# KiCad board yeti.kicad_pcb
title: Yeti Power Board; date: 2021-01-16; rev: 02; company: Pionix GmbH; note: Cornelius Claussen
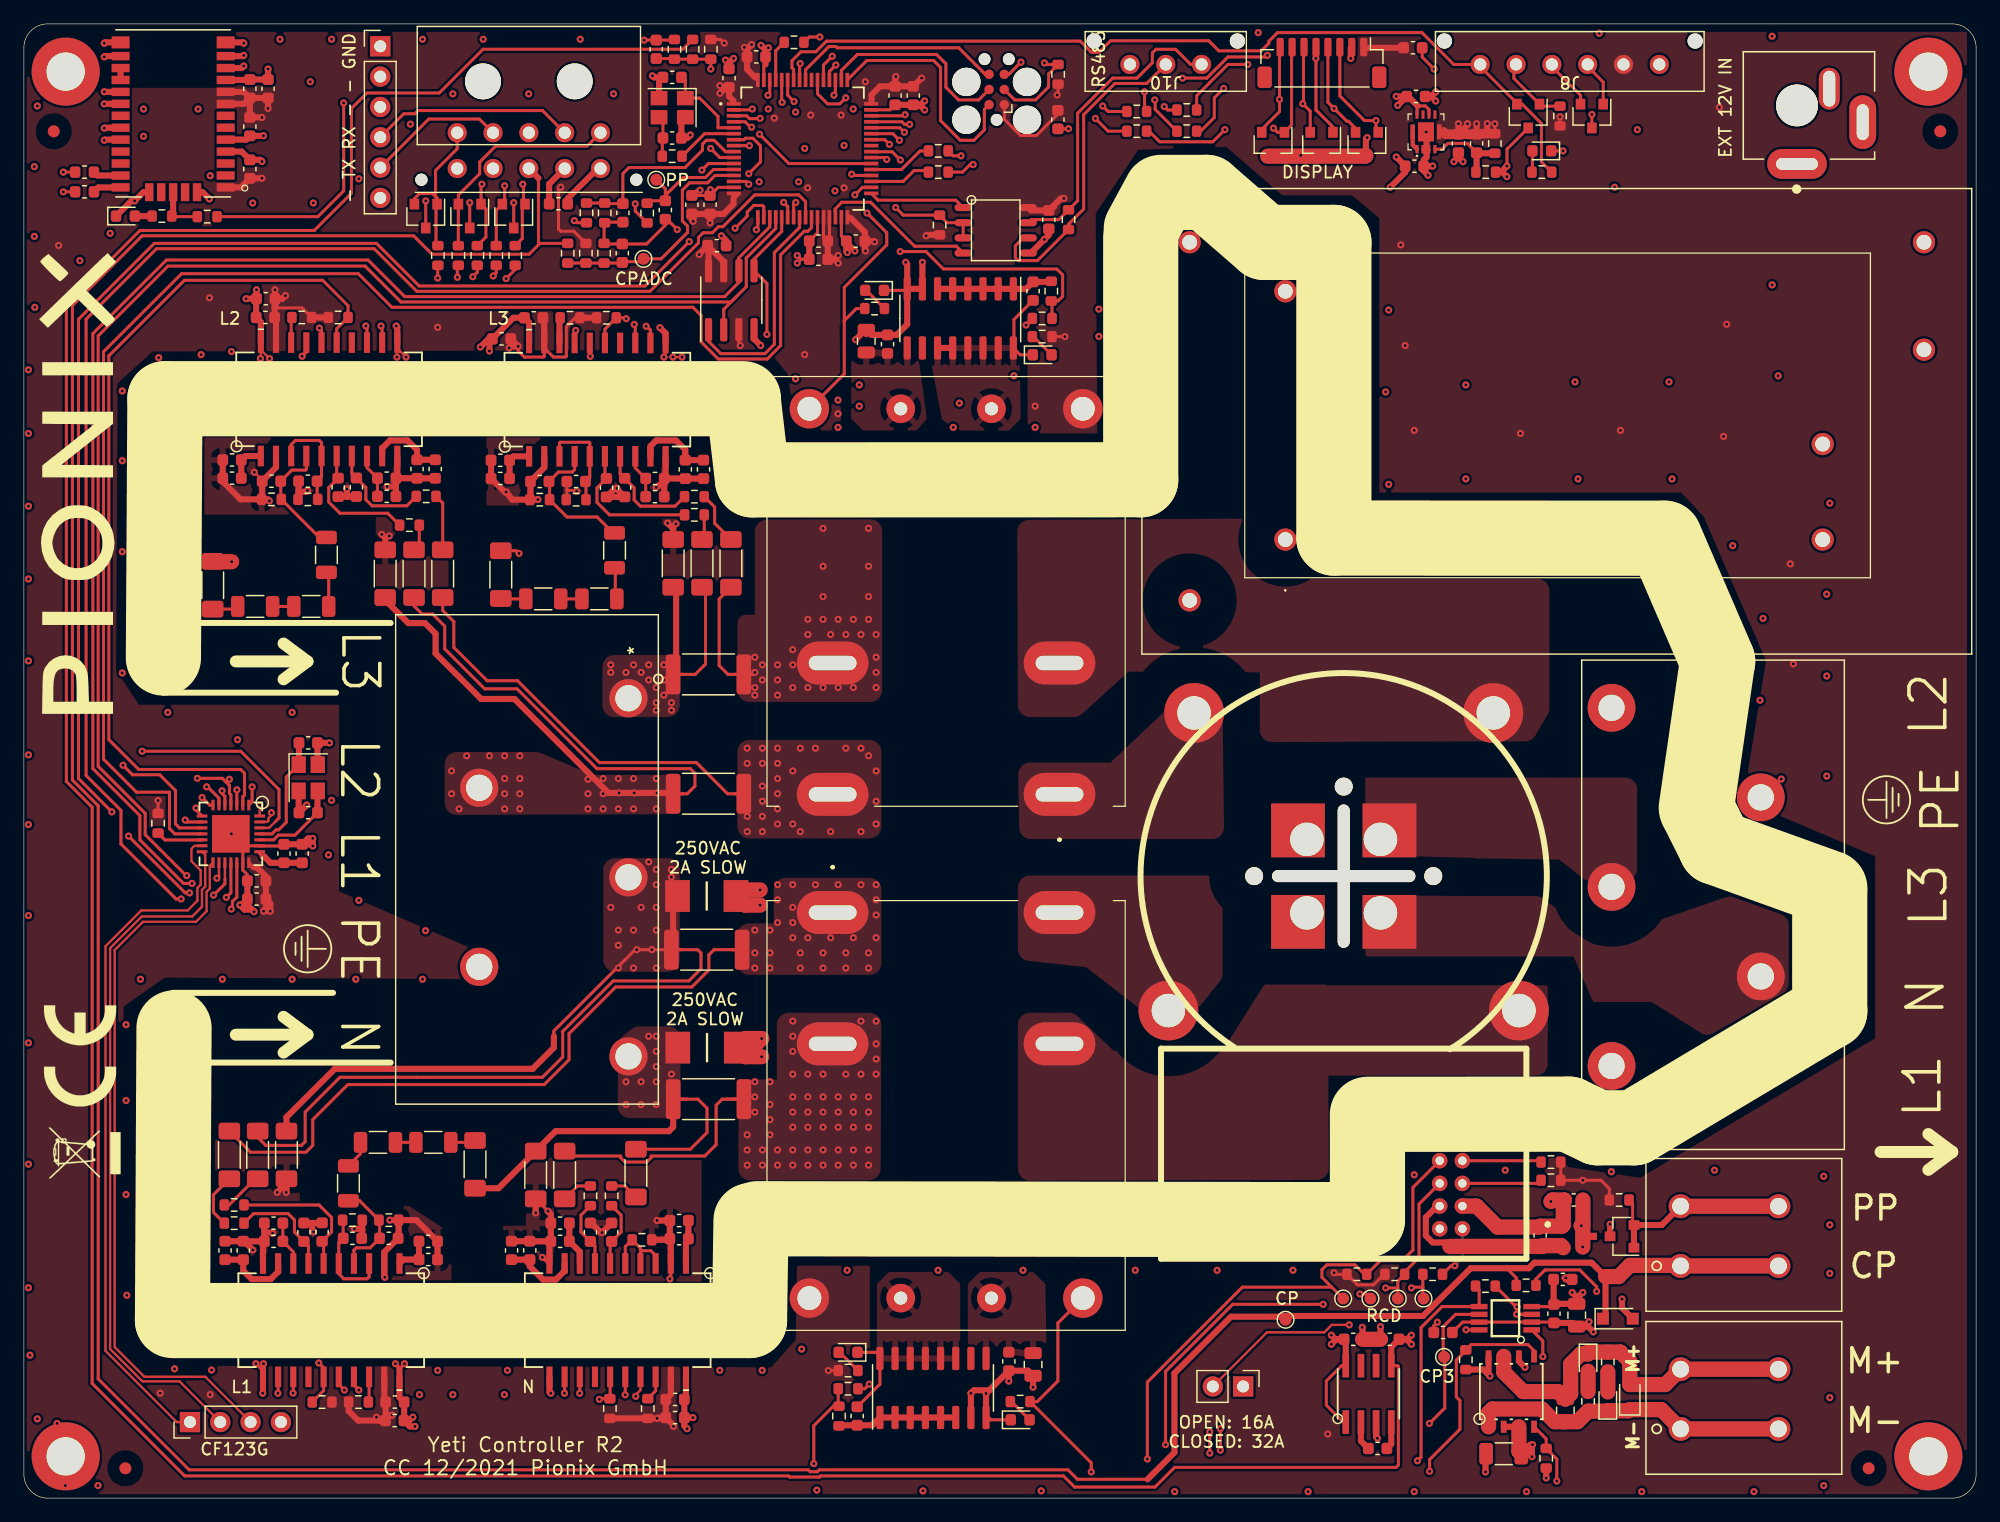
[diagram p0: board, top side]
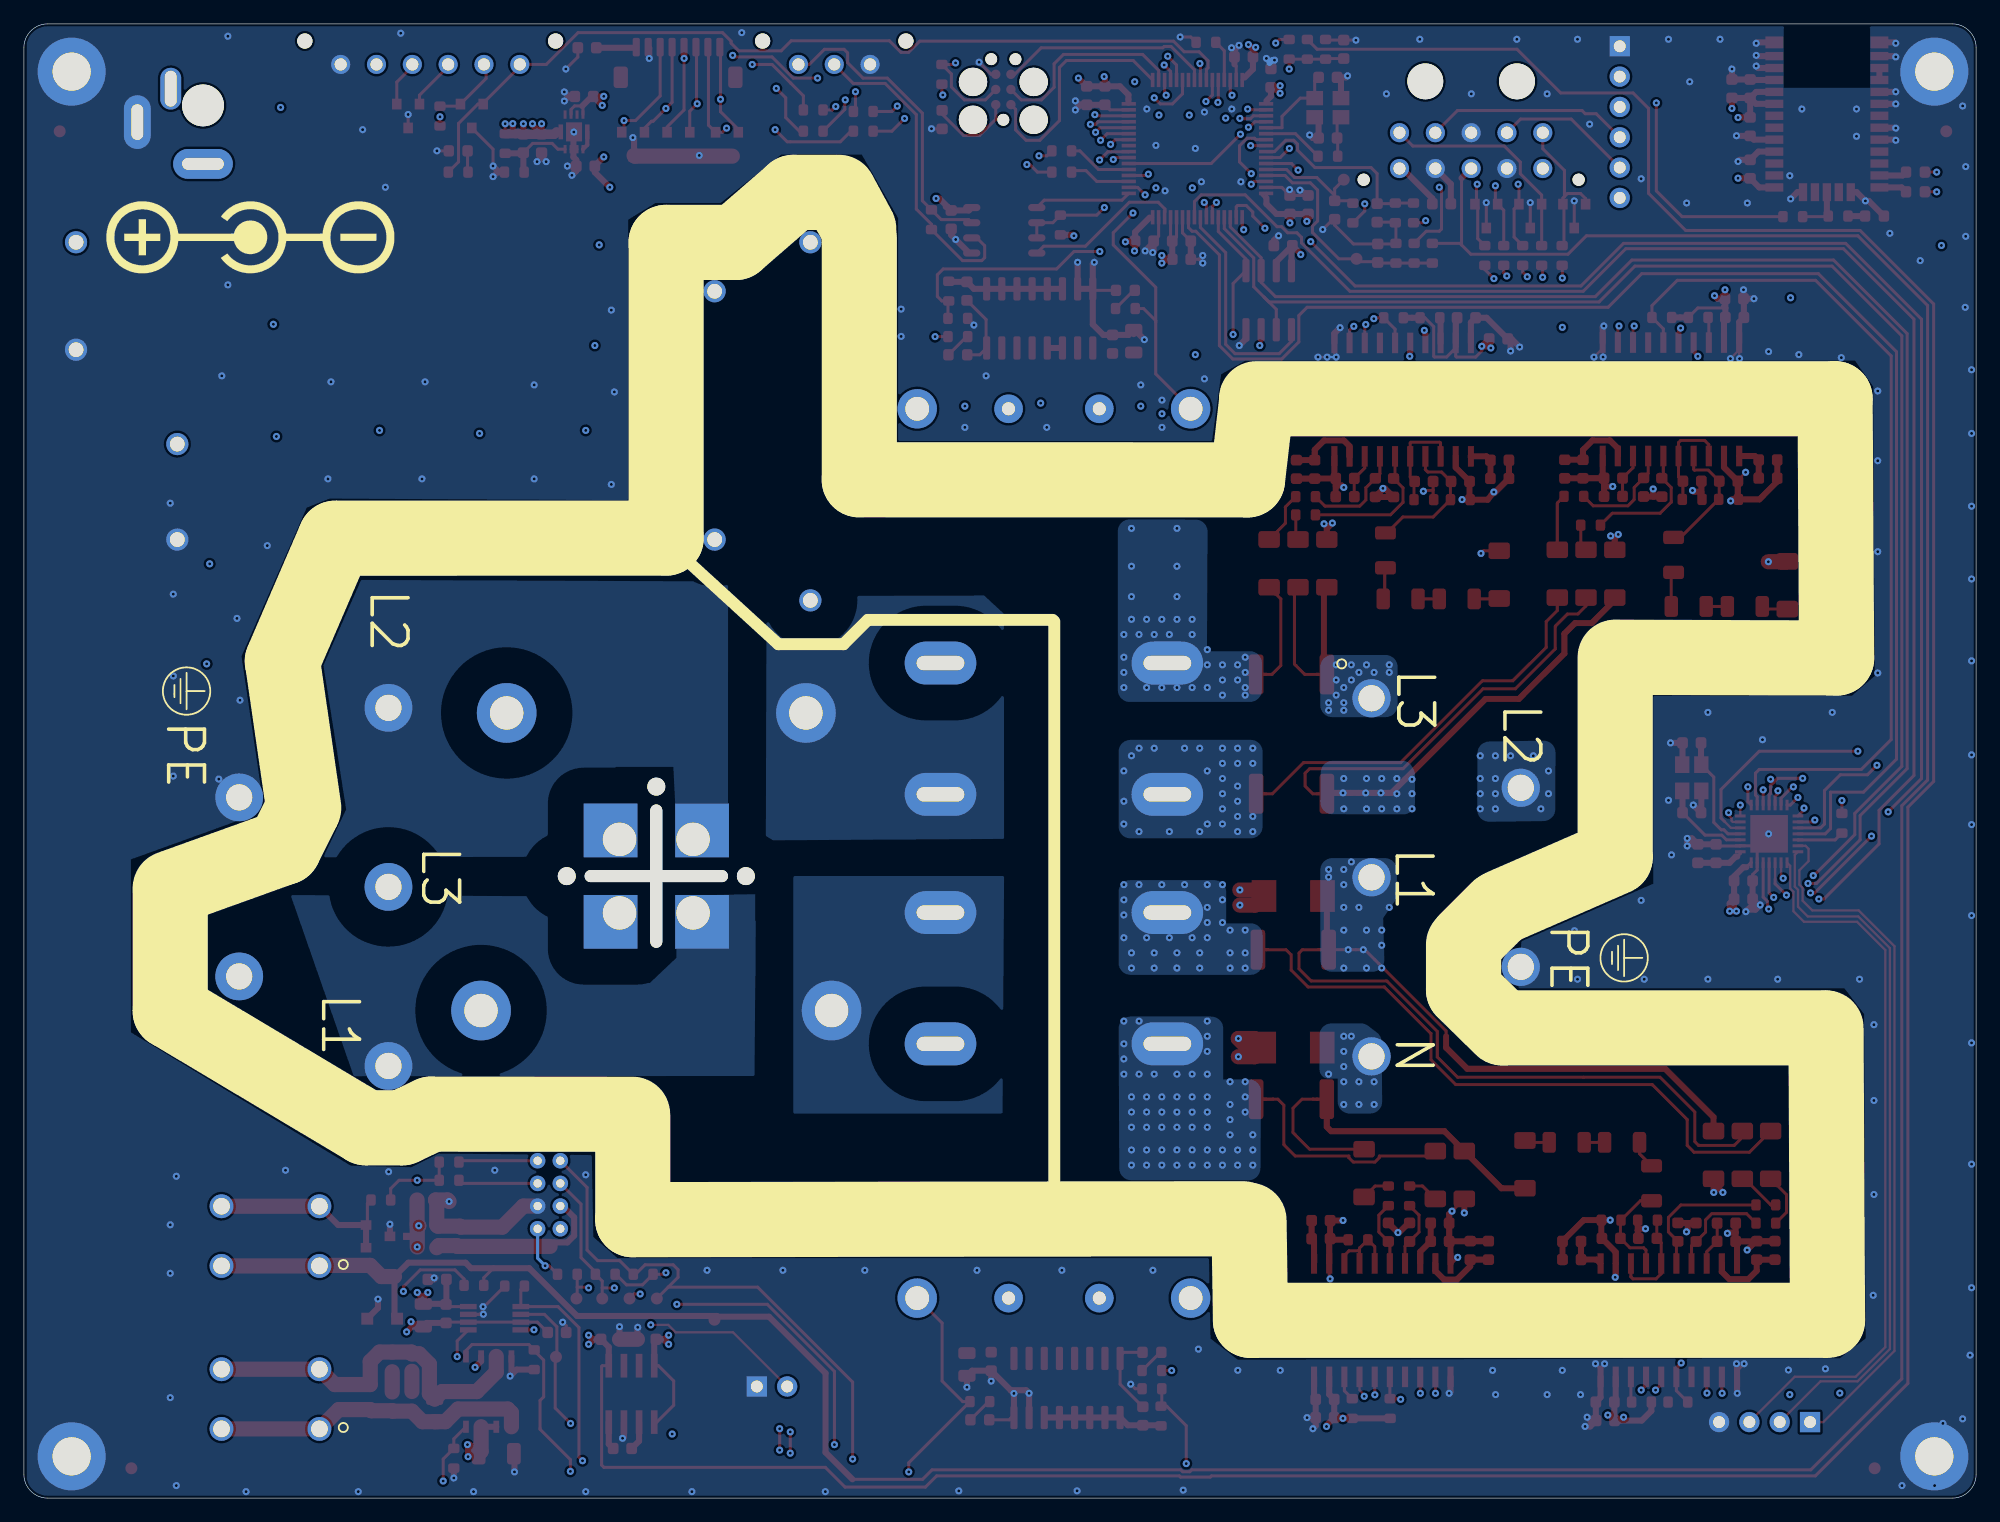
[diagram p1: board, bottom side, seen from below]

Outline 163.5 x 123.5 mm; copper layers: 1_F_TOP_Signal_Pwr, 2_GND (plane), 3_VCC3V3, 4_GND (plane), 5_Signal_Pwr, 6_GND (plane), 7_Signal_Pwr, 8_B_BOTTOM_GND. Coordinates in mm from the lower left corner of the outline.
Outline path: 0,121.5 arc(0.59,122.91) 2,123.5 161.5,123.5 arc(162.91,122.91) 163.5,121.5 163.5,2 arc(162.91,0.59) 161.5,0 2,0 arc(0.59,0.59) 0,2 0,121.5
Stack: 1_F_TOP_Signal_Pwr 0.035mm / dielectric 0.1857mm FR4 er 4.5 / 2_GND 0.035mm / dielectric 0.1857mm FR4 er 4.5 / 3_VCC3V3 0.035mm / dielectric 0.1857mm FR4 er 4.5 / 4_GND 0.035mm / dielectric 0.1857mm FR4 er 4.5 / 5_Signal_Pwr 0.035mm / dielectric 0.1857mm FR4 er 4.5 / 6_GND 0.035mm / dielectric 0.1857mm FR4 er 4.5 / 7_Signal_Pwr 0.035mm / dielectric 0.1857mm FR4 er 4.5 / 8_B_BOTTOM_GND 0.035mm

## Placement (name value [footprint] x y rotation side)
C1  100n  [C_0603_1608Metric]  82.49 11.45 90 top
C2  10u_50V  [C_0805_2012Metric]  84.52 11.2 90 top
C3  10u  [C_0603_1608Metric]  19.5 50.19 0 top
C4  100n  [C_0603_1608Metric]  19.5 51.71 0 top
C5  10u  [C_0603_1608Metric]  23.31 54 270 top
C6  100n  [C_0603_1608Metric]  21.78 54 270 top
C7  20p  [C_0603_1608Metric]  23.81 63.27 180 top
C8  20p  [C_0603_1608Metric]  23.81 57.42 0 top
C9  33n/25V  [C_0603_1608Metric]  23.45 22.27 90 top
C10  33n/25V  [C_0603_1608Metric]  24.98 22.29 270 top
C11  33n/25V  [C_0603_1608Metric]  30.56 21.76 0 top
C12  33n/25V  [C_0603_1608Metric]  27.52 21.76 180 top
C13  100n  [C_0603_1608Metric]  20.91 21.51 0 top
C14  100n  [C_0603_1608Metric]  18.37 20.75 270 top
C15  100n  [C_0603_1608Metric]  33.87 19.99 180 top
C16  10u  [C_0603_1608Metric]  20.91 23.03 0 top
C17  10u  [C_0603_1608Metric]  16.85 20.75 270 top
C18  10u  [C_0603_1608Metric]  33.87 21.51 180 top
C19  10u  [C_0603_1608Metric]  31.05 6.5 180 top
C20  100n  [C_0603_1608Metric]  31.07 8.05 180 top
C21  33n/25V  [C_0603_1608Metric]  47.45 22.28 90 top
C22  33n/25V  [C_0603_1608Metric]  49.23 22.28 270 top
C23  100n  [C_0603_1608Metric]  44.91 21.51 0 top
C24  100n  [C_0603_1608Metric]  42.37 20.75 270 top
C25  100n  [C_0603_1608Metric]  54.88 21.73 0 top
C26  10u  [C_0603_1608Metric]  44.91 23.04 0 top
C27  10u  [C_0603_1608Metric]  40.84 20.75 270 top
C28  10u  [C_0603_1608Metric]  54.88 23.25 0 top
C29  10u  [C_0603_1608Metric]  54.54 6.74 180 top
C30  100n  [C_0603_1608Metric]  54.54 8.27 180 top
C31  33n/25V  [C_0603_1608Metric]  27.85 84.68 270 top
C32  33n/25V  [C_0603_1608Metric]  26.32 84.67 90 top
C33  33n/25V  [C_0603_1608Metric]  20.73 85.19 180 top
C34  33n/25V  [C_0603_1608Metric]  23.78 85.19 0 top
C35  100n  [C_0603_1608Metric]  30.39 85.45 180 top
C36  100n  [C_0603_1608Metric]  32.93 86.21 90 top
C37  100n  [C_0603_1608Metric]  17.43 86.97 0 top
C38  10u  [C_0603_1608Metric]  30.39 83.92 180 top
C39  10u  [C_0603_1608Metric]  34.45 86.21 90 top
C40  10u  [C_0603_1608Metric]  17.43 85.45 0 top
C41  10u  [C_0603_1608Metric]  20.26 100.48 0 top
C42  100n  [C_0603_1608Metric]  20.23 98.91 0 top
C43  33n/25V  [C_0603_1608Metric]  50.31 84.66 270 top
C44  33n/25V  [C_0603_1608Metric]  48.79 84.64 90 top
C45  33n/25V  [C_0603_1608Metric]  43.2 85.16 180 top
C46  33n/25V  [C_0603_1608Metric]  46.25 85.16 0 top
C47  100n  [C_0603_1608Metric]  52.85 85.42 180 top
C48  100n  [C_0603_1608Metric]  55.39 86.18 90 top
C49  100n  [C_0603_1608Metric]  39.9 86.94 0 top
C50  10u  [C_0603_1608Metric]  52.85 83.89 180 top
C51  10u  [C_0603_1608Metric]  56.92 86.18 90 top
C52  10u  [C_0603_1608Metric]  39.9 85.42 0 top
C53  10u  [C_0603_1608Metric]  40.01 97.11 0 top
C54  100n  [C_0603_1608Metric]  42.69 98.88 0 top
C55  100n  [C_0603_1608Metric]  128.14 15.45 270 top
C56  100n  [C_0603_1608Metric]  57.47 108.35 90 top
C57  100n  [C_0603_1608Metric]  69.66 105.3 180 top
C58  100n  [C_0603_1608Metric]  72.96 117.5 270 top
C59  100n  [C_0603_1608Metric]  59.06 118.96 90 top
C60  10u  [C_0603_1608Metric]  74.49 117.5 270 top
C61  100n  [C_0603_1608Metric]  61.34 120.73 0 top
C62  10u  [C_0603_1608Metric]  55.94 108.35 90 top
C63  10u 25V  [C_0603_1608Metric]  44.77 108.43 180 top
C64  10u  [C_0603_1608Metric]  66.55 105.3 180 top
C65  100n  [C_0603_1608Metric]  66.55 103.78 180 top
C66  100n  [C_0603_1608Metric]  116.33 121.5 0 top
C67  100n  [C_0603_1608Metric]  85.84 107.1 270 top
C68  100n  [C_0603_1608Metric]  86.6 115.48 90 top
C69  100n  [C_0603_1608Metric]  58.04 104.92 0 top
C70  25p  [C_0603_1608Metric]  54.29 119.02 0 top
C71  25p  [C_0603_1608Metric]  54.29 113.94 180 top
C72  10u  [C_0603_1608Metric]  20.45 118.07 270 top
C73  100n  [C_0603_1608Metric]  18.92 111.34 270 top
C74  10u_50V  [C_0805_2012Metric]  130.05 15.32 270 top
C75  100n  [C_0603_1608Metric]  18.92 118.07 270 top
C76  100n  [C_0603_1608Metric]  18.92 114.89 90 top
C77  DNP 47u  [C_1206_3216Metric]  123.94 3.72 0 top
C78  DNP 1u  [C_0805_2012Metric]  129.1 7.35 90 top
C79  10u  [C_0603_1608Metric]  126.99 22.01 90 top
C80  100n  [C_0603_1608Metric]  116.59 117.42 0 top
C81  1n  [C_0603_1608Metric]  50.17 107.67 270 top
C82  1n  [C_0603_1608Metric]  52.96 121.37 90 top
C83  15p  [C_0603_1608Metric]  121.67 113.48 270 top
C84  10u  [C_0603_1608Metric]  120.14 113.48 270 top
C85  10u  [C_0603_1608Metric]  116.46 111.58 0 top
C86  100n  [C_0603_1608Metric]  128.89 18.32 180 top
C87  100n  [C_0603_1608Metric]  118.86 13.88 180 top
C88  24p  [C_0603_1608Metric]  50.12 104.29 90 top
C89  10n  [C_0603_1608Metric]  53.72 107.91 270 top
C91  100p  [C_0603_1608Metric]  84.52 101.11 90 top
C93  100p  [C_0603_1608Metric]  69.79 6.88 270 top
C94  100n  [C_0603_1608Metric]  72.33 96.67 270 top
C95  10u_50V  [C_0805_2012Metric]  70.55 96.92 270 top
C104  10u  [C_0603_1608Metric]  129.79 24.98 180 top
C109  10u  [C_0603_1608Metric]  113.37 4.16 0 top
C110  10u 25V  [C_0603_1608Metric]  111.34 13.3 180 top
C111  10u 25V  [C_0603_1608Metric]  114.39 13.3 0 top
D1  DNP ESD12VD3B-TP  [D_SOD-323]  134.49 8.47 90 top
D2  GSOT03C-E3-08  [SOT-23]  37.34 107.4 270 top
D3  GSOT03C-E3-08  [SOT-23]  41.02 107.4 270 top
D4  GSOT03C-E3-08  [SOT-23]  33.66 107.4 270 top
D5  GSOT03C-E3-08  [SOT-23]  112.48 113.42 270 top
D6  GSOT03C-E3-08  [SOT-23]  108.68 113.42 270 top
D7  GSOT03C-E3-08  [SOT-23]  104.62 113.42 270 top
D8  GSOT03C-E3-08  [SOT-23]  133.84 21.93 180 top
D9  GSOT03C-E3-08  [SOT-23]  125.99 115.78 270 top
D10  LED GREEN  [LED_0603_1608Metric]  71.25 101.18 180 top
D11  LED GREEN  [LED_0603_1608Metric]  83.44 6.56 0 top
D12  LED YELLOW  [LED_0603_1608Metric]  69.03 12.21 180 top
D13  LED YELLOW  [LED_0603_1608Metric]  85.28 95.78 0 top
D14  GBLC12C  [D_SOD-323_HandSoldering]  133.49 15.03 0 top
D15  LED GREEN  [LED_0603_1608Metric]  8.51 107.4 0 top
D16  GSOT03C-E3-08  [SOT-23]  131.32 115.78 270 top
D36  LED GREEN  [LED_0603_1608Metric]  127.13 112.86 180 top
D38  DNP RED  [LED_0603_1608Metric]  131 11.41 270 top
D39  DNP GREEN  [LED_0603_1608Metric]  132.65 8.11 90 top
F1  SF-2410SP200W-2  [FUSC6125X236N]  57.19 50.44 180 top
F2  SF-2410SP200W-2  [FUSC6125X236N]  57.21 37.74 180 top
FB1  LI1806C151R-10  [L_1806_4516Metric]  37.78 27.96 270 top
FB2  LI1806C151R-10  [L_1806_4516Metric]  17.21 28.75 90 top
FB3  LI1806C151R-10  [L_1806_4516Metric]  21.99 28.75 90 top
FB4  LI1806C151R-10  [L_1806_4516Metric]  19.58 28.75 90 top
FB5  LI1806C151R-10  [L_1806_4516Metric]  45.29 27.07 90 top
FB6  LI1806C151R-10  [L_1806_4516Metric]  42.86 27.07 90 top
FB7  LI1806C151R-10  [L_1806_4516Metric]  51.26 27.23 90 top
FB8  LI1806C151R-10  [L_1806_4516Metric]  15.81 76.47 90 top
FB9  LI1806C151R-10  [L_1806_4516Metric]  35.07 77.44 270 top
FB10  LI1806C151R-10  [L_1806_4516Metric]  30.26 77.44 270 top
FB11  LI1806C151R-10  [L_1806_4516Metric]  32.67 77.44 270 top
FB12  LI1806C151R-10  [L_1806_4516Metric]  39.94 77.36 90 top
FB13  LI1806C151R-10  [L_1806_4516Metric]  59.21 78.31 270 top
FB14  LI1806C151R-10  [L_1806_4516Metric]  54.38 78.31 270 top
FB15  LI1806C151R-10  [L_1806_4516Metric]  56.79 78.31 270 top
FB16  1kOhm@100MHz  [L_0603_1608Metric]  5.08 109.43 180 top
FB17  1kOhm@100MHz  [L_0603_1608Metric]  5.08 111.08 0 top
FID1  Fiducial  [Fiducial_1mm_Mask3mm]  8.5 2.5 0 top
FID2  Fiducial  [Fiducial_1mm_Mask3mm]  160.5 114.5 0 top
FID3  Fiducial  [Fiducial_1mm_Mask3mm]  154.5 2.5 0 top
FID4  Fiducial  [Fiducial_1mm_Mask3mm]  2.5 114.5 0 top
H1  MountingHole  [MountingHole_3.2mm_M3_ISO7380_Pad_TopBottom]  159.5 3.5 0 top
H2  MountingHole  [MountingHole_3.2mm_M3_ISO7380_Pad_TopBottom]  3.5 3.5 180 top
H3  MountingHole  [MountingHole_3.2mm_M3_ISO7380_Pad_TopBottom]  3.5 119.5 0 top
H4  MountingHole  [MountingHole_3.2mm_M3_ISO7380_Pad_TopBottom]  159.5 119.5 0 top
J1  2606-1105  [2606-1105_increased_creepage]  44.13 52.01 270 top
J2  -  [2604-1102]  138.75 19.45 90 top
J3  2606-1105  [2606-1105_010-000]  139.47 51.2 90 top
J4  DNP 2604-1102  [2604-1102]  138.75 5.8 90 top
J5  DNP  [PinHeader_1x04_P2.54mm_Vertical]  13.91 6.37 90 top
J6  DNP  [PinHeader_1x06_P2.54mm_Vertical]  29.85 121.62 0 top
J7  JST_SH_BM08B-SRSS-TB_1x08  [JST_SH_BM08B-SRSS-TB_1x08-1MP_P1.00mm_Vertical]  108.71 120.23 180 top
J8  Conn_01x06_Male  [66200611122]  129.47 120.1 180 top
J9  PJ-032B  [CUI_PJ-032B]  148.5 116.67 90 top
J10  RS485  [66200311122]  95.63 120.1 180 top
J11  CFG  [PinHeader_1x02_P2.54mm_Vertical]  102.11 9.35 270 top
J13  SWD  [Tag-Connect_TC2030-IDC-FP_2x03_P1.27mm_Vertical]  81.47 118 90 top
K1  -  [AHES4291]  77.23 74.51 0 top
K2  -  [AHES4291]  77.23 33.51 180 top
PS1  -  [MYRGC075050S31RA]  117.43 114.45 0 top
PS3  MPM-30-12  [MPM3012_dualsocket]  128.38 90.21 180 top
R1  100k  [R_0603_1608Metric]  128.65 115.78 90 top
R2  220  [R_0603_1608Metric]  37.97 104.1 270 top
R3  220  [R_0603_1608Metric]  36.39 104.1 270 top
R4  220  [R_0603_1608Metric]  41.15 104.1 270 top
R5  220  [R_0603_1608Metric]  39.56 104.1 270 top
R6  220  [R_0603_1608Metric]  34.67 104.1 270 top
R7  220  [R_0603_1608Metric]  76.58 111.08 180 top
R8  220  [R_0603_1608Metric]  76.58 112.86 180 top
R9  220  [R_0603_1608Metric]  97.39 116.29 180 top
R10  220  [R_0603_1608Metric]  97.39 114.51 180 top
R11  220  [R_0603_1608Metric]  93.2 114.51 180 top
R12  220  [R_0603_1608Metric]  93.2 116.16 180 top
R13  1k  [R_0603_1608Metric]  11.56 107.4 0 top
R14  510k  [R_0603_1608Metric]  123.19 113.48 270 top
R15  150k  [R_0603_1608Metric]  122.43 111.08 0 top
R16  1k  [R_0603_1608Metric]  15.35 107.35 180 top
R17  10k  [R_0603_1608Metric]  64.5 121.96 0 top
R27  100  [R_0603_1608Metric]  68.26 6.88 90 top
R28  100  [R_0603_1608Metric]  86.04 101.11 270 top
R29  10k  [R_0603_1608Metric]  69.03 9.16 0 top
R31  680  [R_0603_1608Metric]  71.25 99.65 180 top
R32  680  [R_0603_1608Metric]  83.44 8.09 0 top
R33  680  [R_0603_1608Metric]  69.03 10.69 0 top
R35  10k  [R_0603_1608Metric]  11.24 56.54 270 top
R36  -  [WSLF2512L5000FEA]  57.19 45.94 180 top
R37  267k/500V  [R_1206_3216Metric]  34.29 29.8 0 top
R38  267k/500V  [R_1206_3216Metric]  29.66 29.8 0 top
R39  267k/500V  [R_1206_3216Metric]  27.18 26.37 90 top
R40  1k  [R_0603_1608Metric]  17.61 23.03 0 top
R41  1k  [R_0603_1608Metric]  17.61 24.56 0 top
R42  1k  [R_0603_1608Metric]  30.56 23.29 180 top
R43  1k  [R_0603_1608Metric]  27.52 23.29 0 top
R44  10k  [R_0603_1608Metric]  24.98 8.05 0 top
R45  10k  [R_0603_1608Metric]  28.02 8.05 180 top
R46  -  [WSLF2512L5000FEA]  57.34 33.42 180 top
R47  1k  [R_0603_1608Metric]  47.45 25.32 270 top
R48  1k  [R_0603_1608Metric]  49.23 25.32 270 top
R49  10k  [R_0603_1608Metric]  49.07 7.51 270 top
R50  10k  [R_0603_1608Metric]  52.25 7.51 270 top
R51  -  [WSLF2512L5000FEA]  57.33 59.01 180 top
R52  267k/500V  [R_1206_3216Metric]  19.37 74.7 180 top
R53  267k/500V  [R_1206_3216Metric]  24.07 74.7 180 top
R54  267k/500V  [R_1206_3216Metric]  25.34 79.01 270 top
R55  1k  [R_0603_1608Metric]  33.69 83.92 180 top
R56  1k  [R_0603_1608Metric]  32.29 81.51 180 top
R57  1k  [R_0603_1608Metric]  20.73 83.67 0 top
R58  1k  [R_0603_1608Metric]  23.78 83.67 180 top
R59  10k  [R_0603_1608Metric]  26.32 98.91 180 top
R60  10k  [R_0603_1608Metric]  23.27 98.91 0 top
R61  -  [WSLF2512L5000FEA]  57.33 69.01 180 top
R62  267k/500V  [R_1206_3216Metric]  43.5 75.33 180 top
R63  267k/500V  [R_1206_3216Metric]  48.2 75.33 180 top
R64  267k/500V  [R_1206_3216Metric]  49.47 79.4 270 top
R65  1k  [R_0603_1608Metric]  56.16 83.89 180 top
R66  1k  [R_0603_1608Metric]  56.16 82.37 180 top
R67  1k  [R_0603_1608Metric]  43.2 83.64 0 top
R68  1k  [R_0603_1608Metric]  46.25 83.64 180 top
R69  10k  [R_0603_1608Metric]  48.79 98.88 180 top
R70  10k  [R_0603_1608Metric]  45.74 98.88 0 top
R71  10k  [R_0603_1608Metric]  122.4 17.76 0 top
R72  1k  [R_0603_1608Metric]  125.81 17.83 0 top
R74  100k  [R_0603_1608Metric]  45.54 104.29 90 top
R75  20k  [R_0603_1608Metric]  47.07 104.29 270 top
R76  24.9k  [R_0603_1608Metric]  48.59 104.29 90 top
R77  680  [R_0603_1608Metric]  133.6 24.98 0 top
R81  10k  [R_0603_1608Metric]  76.69 106.65 270 top
R82  120  [R_0603_1608Metric]  87.49 107.1 90 top
R83  10k  [R_0603_1608Metric]  86.62 119.27 270 top
R84  400  [R_0603_1608Metric]  54.29 112.42 0 top
R86  100k  [R_0603_1608Metric]  47.12 107.67 90 top
R87  24.9k  [R_0603_1608Metric]  48.64 107.67 270 top
R90  100k  [R_0603_1608Metric]  56.01 121.37 90 top
R91  20k  [R_0603_1608Metric]  57.53 121.37 270 top
R92  24.9k  [R_0603_1608Metric]  54.48 121.37 90 top
R93  120  [R_0603_1608Metric]  127.13 111.08 0 top
R98  DNP 10k  [R_0603_1608Metric]  127.49 3.34 270 top
R99  DNP 10k  [R_0603_1608Metric]  120.76 11.59 270 top
R100  DNP 2.2k  [R_0603_1608Metric]  131 8.11 90 top
R101  DNP 2.2k  [R_0603_1608Metric]  132.65 11.41 270 top
R110  1k  [R_0603_1608Metric]  51.77 21.64 180 top
R113  680  [R_0603_1608Metric]  52.2 107.65 90 top
R114  10k  [R_0603_1608Metric]  85.28 98.83 180 top
R115  680  [R_0603_1608Metric]  85.28 97.3 180 top
R129  10k  [R_0603_1608Metric]  127.89 28.15 180 top
R130  10k  [R_0603_1608Metric]  127.89 26.63 180 top
R131  10k  [R_0603_1608Metric]  114.81 18.75 0 top
R132  10k  [R_0603_1608Metric]  117.98 18.75 0 top
R134  10k  [R_0603_1608Metric]  111.63 18.75 0 top
TP1  CP_EVSE  [TestPoint_Pad_D1.0mm]  105.66 14.94 0 top
TP3  AC_ERROR  [TestPoint_Pad_D1.0mm]  115.06 16.72 0 top
TP4  TEST  [TestPoint_Pad_D1.0mm]  110.49 16.72 0 top
TP5  CP_3V3  [TestPoint_Pad_D1.0mm]  118.94 11.83 0 top
TP6  CP_OUT_ADC  [TestPoint_Pad_D1.0mm]  51.89 103.82 90 top
TP7  EVSE_PP_3V3  [TestPoint_Pad_D1.0mm]  52.96 110.45 0 top
TP8  PWMOUT  [TestPoint_Pad_D1.0mm]  117.22 16.72 0 top
TP9  DC_ERROR  [TestPoint_Pad_D1.0mm]  112.78 16.72 0 top
U1  WR-MPC3-Male-THT-10  [66201021022_66201021122]  42.29 114.38 180 top
U2  LOGO_PIONIX  [pionix-logo]  4.5 85 90 top
U3  CY15B256Q  [SOIC-8_3.9x4.9mm_P1.27mm]  59.25 100.35 90 top
U4  CAM-M8Q-0  [LCC100P960X1400X210-31N]  12.5 116 0 top
U5  AP2210N-5.0TRG1  [SOT95P280X145-3N]  129.92 21.93 0 top
U9  TPL7407LADR  [SOIC-16_3.9x9.9mm_P1.27mm]  76.14 9.23 90 top
U10  -  [ADE7978ACPZ-RL]  17.34 55.65 270 top
U11  ADE7932ARIZ  [ADE7933ARIZ]  25.74 14.91 270 top
U12  ADE7932ARIZ  [ADE7933ARIZ]  49.73 14.91 270 top
U13  ADE7932ARIZ  [ADE7933ARIZ]  25.56 92.05 90 top
U14  ADE7932ARIZ  [ADE7933ARIZ]  48.03 92.02 90 top
U15  TMUX6219DGKR  [SOP65P490X110-8N]  124.08 15.07 180 top
U16  STM32G483RET6  [STM32G431RBT6]  65.22 113.05 0 top
U20  -  [THVD1450DR]  81.39 106.21 0 top
U25  DNP BD6221F-E2  [BD6221F-E2]  124.57 8.93 90 top
U27  TPL7407LADR  [SOIC-16_3.9x9.9mm_P1.27mm]  78.42 98.83 270 top
U28  -  [TC1044SEOA]  112.61 8.73 90 top
U29  -  [T60404-N4641-X920]  110.53 52.11 0 top
U38  SYMBOL_POLARITY  [Polarity_Center_Positive_6mm_SilkScreen]  144.53 105.62 0 bottom
U39  LOGO_CE  [CE-Logo_8.5x6mm_SilkScreen]  4.7 37.04 90 top
U40  LOGO_WEEE  [WEEE-Logo_4.2x6mm_SilkScreen]  5.08 28.91 90 top
Y1  16.384MHz - FA-238 16.3840MB-K 18pF  [Crystal_SMD_SeikoEpson_FA238-4Pin_3.2x2.5mm]  23.81 60.35 270 top
Y2  16MHz FA-238  [Crystal_SMD_SeikoEpson_FA238-4Pin_3.2x2.5mm]  54.29 116.48 180 top

## Library data of the parts
D2-D9 D16 = -: Digikey: GSOT03C-E3-08CT-ND
D14 = -: Mouser: 241-PJGBLC12CR100001
F1 F2 = -: Description: Surface Mount Fuses 2.0A Time Lag 2410 SinglFuse; Height: 2.36; Manufacturer_Name: Bourns; Mouser Part Number: 652-SF-2410SP200W-2; Mouser Price/Stock: https://www.mouser.co.uk/ProductDetail/Bourns/SF-2410SP100W-2/?qs=55YtniHzbhCQgDMdNawfkw%3D%3D
FB16 FB17 = -: Digikey: 732-4484-1-ND; MPN: 74279266; Manufacturer: Wuerth
J1-J3 = -: Manufacturer: WAGO; Field6: REF**
J4 = -: MPN: 2604-1102; Manufacturer: WAGO; Field6: REF**
J7 = -: Alternative: Wuerth 665308124022; Digikey: 455-2959-1-ND‎
J9 = -: CUI_PURCHASE_URL: https://www.cui.com/product/interconnect/connectors/dc-power-connectors/jacks/pj-032a?utm_source=snapeda.com&utm_medium=referral&utm_campaign=snapedaBOM; DESCRIPTION: 2.0 x 6.5 mm, 2.5 A, Vertical, Through Hole, Dc Power Jack Connector; DIGI-KEY_PART_NUMBER: CP-032A-ND; DIGI-KEY_PURCHASE_URL: https://www.digikey.in/product-detail/en/cui-inc/PJ-032A/CP-032A-ND/1644525?utm_source=snapeda&utm_medium=aggregator&utm_campaign=symbol; MF: CUI Inc.; MP: PJ-032A; PACKAGE: None
K1 K2 = -: Description: Panasonic DPNO, SPNC PCB Mount Non-Latching Relay, 12V dc Coil 1 A Non-Latching Relay; Arrow Price/Stock: https://www.arrow.com/en/products/ahes4291/panasonic; Digikey: 255-5913-ND; Height: 38; Manufacturer: Panasonic Electric Works; Manufacturer_Name: Panasonic; Mouser Part Number: 769-AHES4291; Mouser Price/Stock: https://www.mouser.co.uk/ProductDetail/Panasonic-Industrial-Devices/AHES4291?qs=uLrlhPoGzAD9gjoKFCqMXg%3D%3D; Price: 14.15
PS1 = -: Description: Isolated DC/DC Converters 0.5A 3-18Vin 1-15Vout PWM/PFM; Height: 1.7; Manufacturer: Murata Electronics; Mouser: 81-MYRGC075050S31RA; Mouser Price/Stock: https://www.mouser.co.uk/ProductDetail/Murata-Electronics/MYRGC075050S31RA?qs=xZ%2FP%252Ba9zWqY%252B%2FjXE%2FmPwtg%3D%3D
PS3 = -: Description: Mean Well, 30W Encapsulated Switch Mode Power Supply, 12V dc, Encapsulated, Medical Approved; Height: 24; Manufacturer_Name: Mean Well; Mouser Part Number: 709-MPM-30-12
R37-R39 R52-R54 R62-R64 = -: Digikey: RHM267KAICT-ND; MPN: KTR18EZPF2673
U1 = -: MPN: 66201021022_66201021122; Manufacturer: Wuerth
U3 = -: Alt1: FM25L16B-GTR; Digikey: 2015-CY15B256Q-SXATCT-ND
U4 = -: MANUFACTURER: UBlox
U5 = -: Digikey: AP2210N-5.0TRG1DIDKR-ND; Manufacturer: Diodes Incorporated; Field7: REF**
U9 U27 = -: Digikey: 296-51862-1-ND; Manufacturer: TI; Price: 0.3; STANDARD: IPC 7351B
U10 = -: Digikey: 505-ADE7978ACPZ-RLCT-ND; Manufacturer: Analog Devices; Price: 2.87
U11-U14 = -: Digikey: ADE7932ARIZ-RLCT-ND; MPN: ADE7932ARIZ-RL; Manufacturer: Analog Devices; Price: 6.85
U15 = -: Digikey: 296-TMUX6219DGKRCT-ND
U16 = -: Digikey: 497-19471-ND; MPN: STM32G431RBT6; Manufacturer: STMicroelectronics; Price: 3.70; Field8: *
U20 = -: Digikey: 296-50395-1-ND; Manufacturer: TI; Price: 1.42; Field8: .Designator; Field9: REF**
U25 = -: Digikey: BD6221F-E2CT-ND; MPN: BD6221F-E2; Manufacturer: Rohm Semiconductor; Price: 1.48
U28 = -: Digikey: TC1044SEOA713CT-ND; MPN: TC1044SEOA713; Maunfacturer: Microchip; Price: 0.58
U29 = -: Digikey: 2258-T60404N4641X920-ND; MPN: T60404N4641X920; Manufacturer: VAC; Price: 35
Y1 = -: Digikey: SER4206-ND; MPN: FA-238 16.3840MB-K; Price: 0.18
Y2 = -: Digikey: SER3686CT-ND; MPN: FA-238 16.0000MB-C3; Manufacturer: EPSON; Price: 0.18
